# Altium PCB PCB_New.PcbDoc (part 1 of 2)
Units mil, origin at the board's own origin, x right, y up, seen from the top; angles counter-clockwise.
Board outline 6000 x 4000 mil, 2 copper layers (Top Layer, Bottom Layer); 464 components, 240 nets, 1316 pads, 0 vias.
Unrouted connection lines stored in the file: 1044.
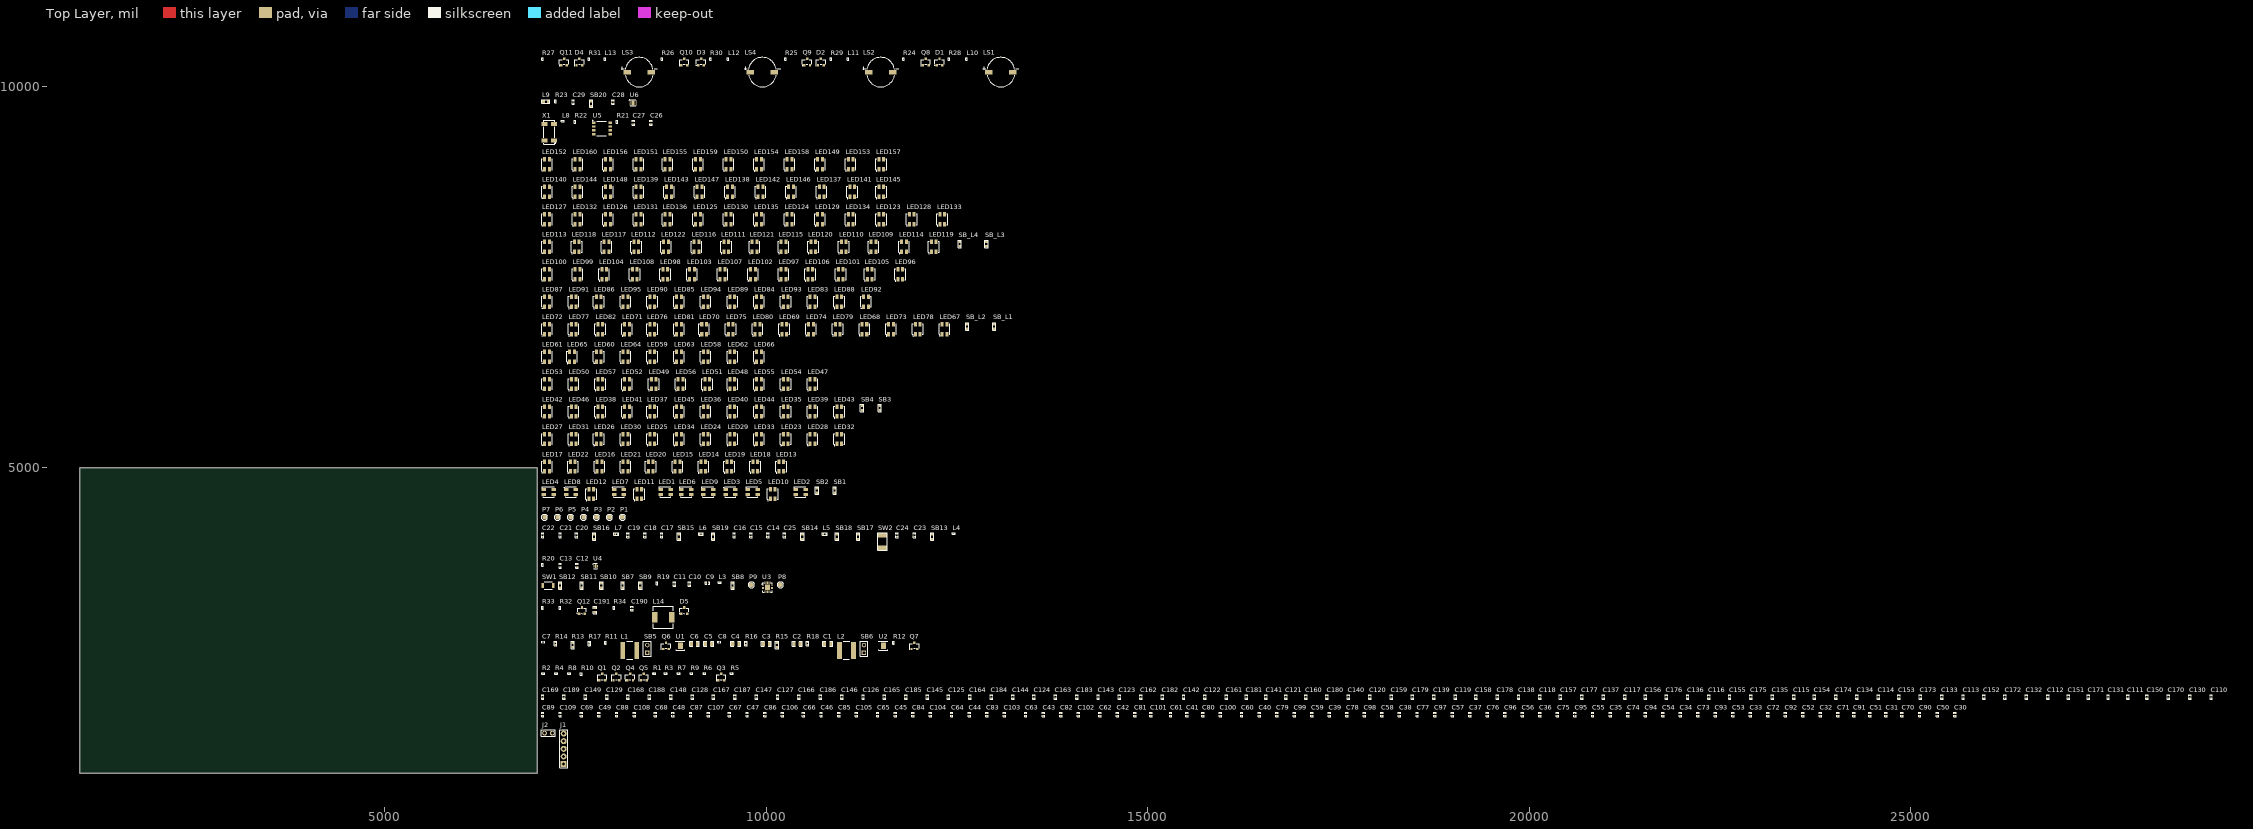
[diagram p0: Top Layer view]
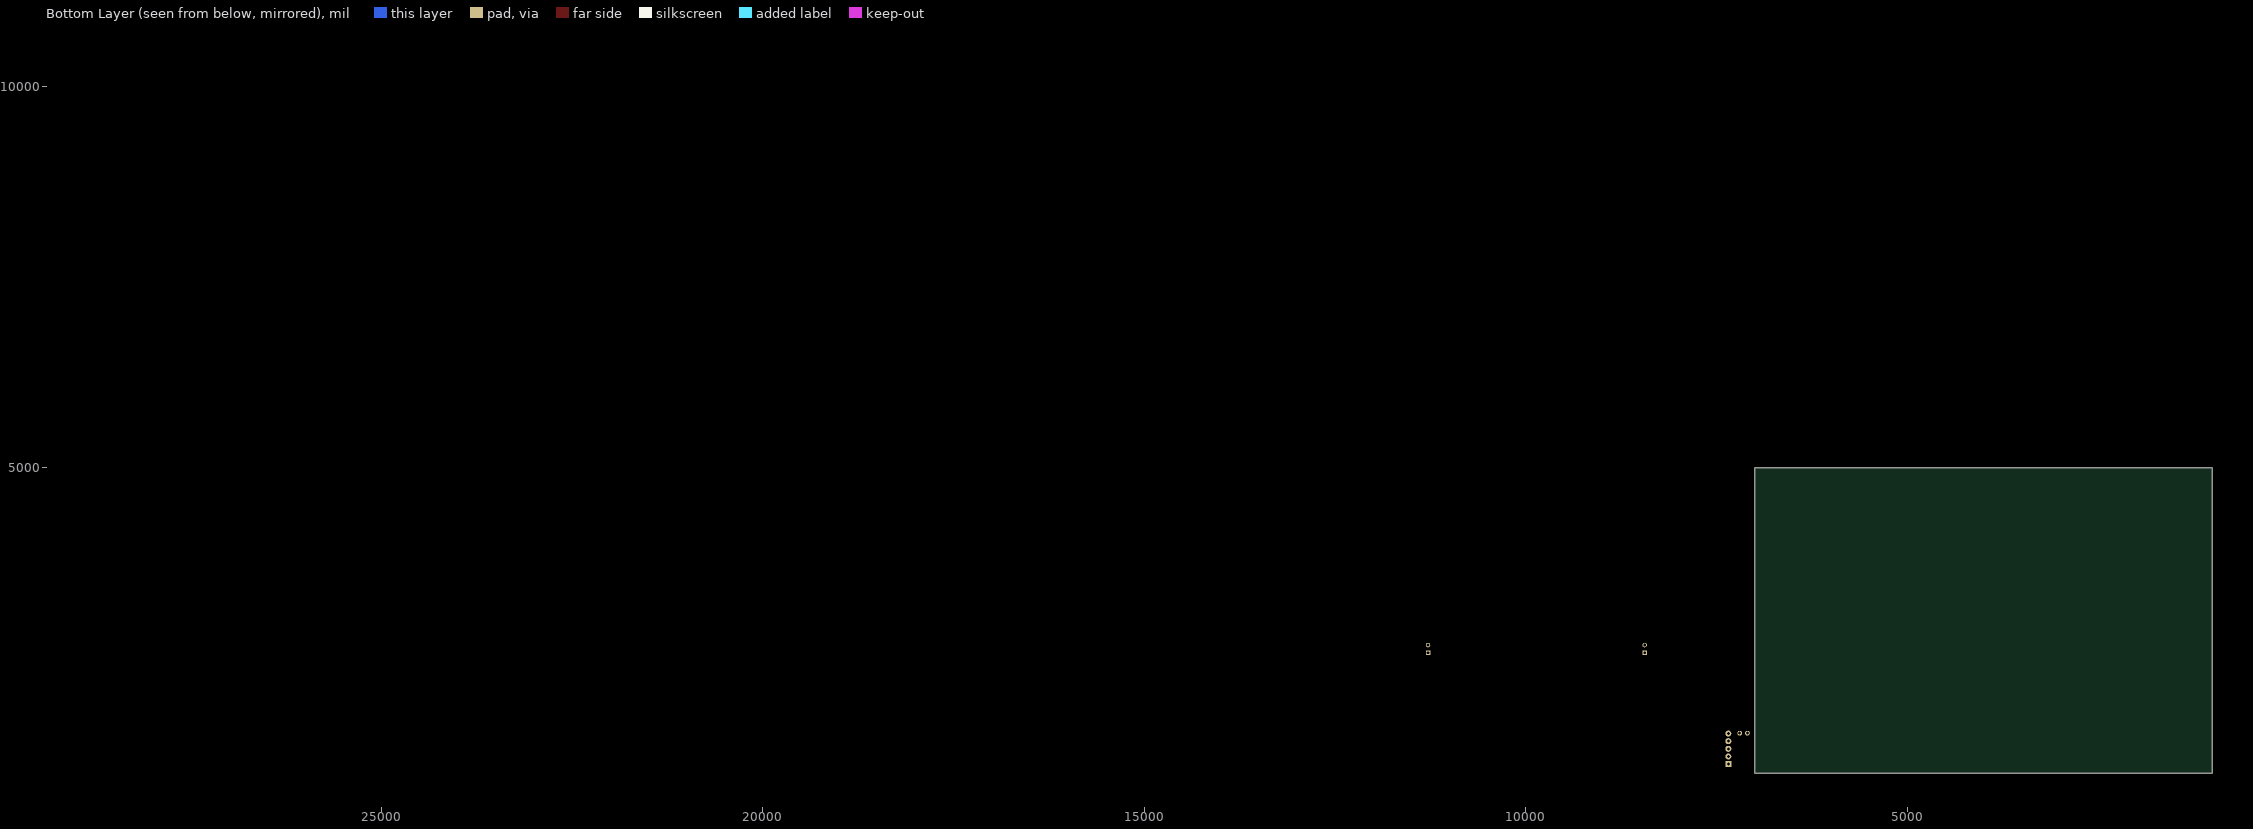
[diagram p1: Bottom Layer view, seen from below]

## Layer stack, top to bottom
Top Solder: solder mask 0.4, Solder Resist, Dk 3.5
Top Layer: signal copper 1.4
Dielectric 1: dielectric 12.6, FR-4, Dk 4.8
Bottom Layer: signal copper 1.4
Bottom Solder: solder mask 0.4, Solder Resist, Dk 3.5

## Board outline
1000,1000 7000,1000 7000,5000 1000,5000

## Design rules (kind name [scope] priority, off if disabled: settings)
Clearance [All] p1: gap=10 ignorepadtopadclearanceinfootprint=FALSE except(0: Arc-Hole Track-Hole SMDPad-Hole THPad-Hole Via-Hole Fill-Hole Poly-Hole Region-Hole Text-Hole)
PolygonConnect [All] p1: connectstyle=Relief reliefconductorwidth=10 reliefentries=4 polygonreliefangle="90 Angle" airgapwidth=10
RoomDefinition U_SOUND_SEC [InComponentClass('U_SOUND_SEC')] p1: confinementstyle=ConfineIn formatcopy=TRUE lockcomponents=FALSE outline 7045,9985 13320,9985 13320,10490 7045,10490
RoomDefinition U_SEC_POWER [InComponentClass('U_SEC_POWER')] p2: confinementstyle=ConfineIn formatcopy=TRUE lockcomponents=FALSE outline 7045,9715 8330,9715 8330,9935 7045,9935
RoomDefinition U_RTC_SEC [InComponentClass('U_RTC_SEC')] p3: confinementstyle=ConfineIn formatcopy=TRUE lockcomponents=FALSE outline 7045,9235 8660,9235 8660,9665 7045,9665
RoomDefinition "U_Ring 5_D" [InComponentClass('U_Ring 5_D')] p4: confinementstyle=ConfineIn formatcopy=TRUE lockcomponents=FALSE outline 7045,8875 11790,8875 11790,9185 7045,9185
RoomDefinition "U_Ring 5_C" [InComponentClass('U_Ring 5_C')] p5: confinementstyle=ConfineIn formatcopy=TRUE lockcomponents=FALSE outline 7045,8515 11790,8515 11790,8825 7045,8825
RoomDefinition "U_Ring 5_B" [InComponentClass('U_Ring 5_B')] p6: confinementstyle=ConfineIn formatcopy=TRUE lockcomponents=FALSE outline 7045,8155 12590,8155 12590,8465 7045,8465
RoomDefinition "U_Ring 5_A" [InComponentClass('U_Ring 5_A')] p7: confinementstyle=ConfineIn formatcopy=TRUE lockcomponents=FALSE outline 7045,7795 13170,7795 13170,8105 7045,8105
RoomDefinition "U_Ring 4_C" [InComponentClass('U_Ring 4_C')] p8: confinementstyle=ConfineIn formatcopy=TRUE lockcomponents=FALSE outline 7045,7435 11990,7435 11990,7745 7045,7745
RoomDefinition "U_Ring 4_B" [InComponentClass('U_Ring 4_B')] p9: confinementstyle=ConfineIn formatcopy=TRUE lockcomponents=FALSE outline 7045,7075 11540,7075 11540,7385 7045,7385
RoomDefinition "U_Ring 4_A" [InComponentClass('U_Ring 4_A')] p10: confinementstyle=ConfineIn formatcopy=TRUE lockcomponents=FALSE outline 7045,6715 13250,6715 13250,7025 7045,7025
RoomDefinition "U_Ring 3_C" [InComponentClass('U_Ring 3_C')] p11: confinementstyle=ConfineIn formatcopy=TRUE lockcomponents=FALSE outline 7045,6355 10140,6355 10140,6665 7045,6665
RoomDefinition "U_Ring 3_B" [InComponentClass('U_Ring 3_B')] p12: confinementstyle=ConfineIn formatcopy=TRUE lockcomponents=FALSE outline 7045,5995 10840,5995 10840,6305 7045,6305
RoomDefinition "U_Ring 3_A" [InComponentClass('U_Ring 3_A')] p13: confinementstyle=ConfineIn formatcopy=TRUE lockcomponents=FALSE outline 7045,5635 11650,5635 11650,5945 7045,5945
RoomDefinition "U_Ring 2_B" [InComponentClass('U_Ring 2_B')] p14: confinementstyle=ConfineIn formatcopy=TRUE lockcomponents=FALSE outline 7045,5275 11190,5275 11190,5585 7045,5585
RoomDefinition "U_Ring 2_A" [InComponentClass('U_Ring 2_A')] p15: confinementstyle=ConfineIn formatcopy=TRUE lockcomponents=FALSE outline 7045,4915 10420,4915 10420,5225 7045,5225
RoomDefinition "U_Ring 1" [InComponentClass('U_Ring 1')] p16: confinementstyle=ConfineIn formatcopy=TRUE lockcomponents=FALSE outline 7045,4555 11040,4555 11040,4865 7045,4865
RoomDefinition "U_Power Section" [InComponentClass('U_Power Section')] p17: confinementstyle=ConfineIn formatcopy=TRUE lockcomponents=FALSE outline 7045,4305 8180,4305 8180,4505 7045,4505
RoomDefinition U_POWER_SWITCH [InComponentClass('U_POWER_SWITCH')] p18: confinementstyle=ConfineIn formatcopy=TRUE lockcomponents=FALSE outline 7045,3910 12560,3910 12560,4260 7045,4260
RoomDefinition U_MCU_POWER [InComponentClass('U_MCU_POWER')] p19: confinementstyle=ConfineIn formatcopy=TRUE lockcomponents=FALSE outline 7045,3670 7850,3670 7850,3860 7045,3860
RoomDefinition U_MAIN_CONN [InComponentClass('U_MAIN_CONN')] p20: confinementstyle=ConfineIn formatcopy=TRUE lockcomponents=FALSE outline 7045,3350 10270,3350 10270,3620 7045,3620
RoomDefinition U_LED_POWER [InComponentClass('U_LED_POWER')] p21: confinementstyle=ConfineIn formatcopy=TRUE lockcomponents=FALSE outline 7045,2480 12010,2480 12010,2840 7045,2840
RoomDefinition "U_LED_POWER 2" [InComponentClass('U_LED_POWER 2')] p22: confinementstyle=ConfineIn formatcopy=TRUE lockcomponents=FALSE outline 7045,2890 8995,2890 8995,3300 7045,3300
RoomDefinition U_LED_CONV_SIG [InComponentClass('U_LED_CONV_SIG')] p23: confinementstyle=ConfineIn formatcopy=TRUE lockcomponents=FALSE outline 7045,2190 9650,2190 9650,2430 7045,2430
RoomDefinition "U_Decoup_Cap 2" [InComponentClass('U_Decoup_Cap 2')] p24: confinementstyle=ConfineIn formatcopy=TRUE lockcomponents=FALSE outline 7045,1960 29145,1960 29145,2140 7045,2140
RoomDefinition "U_Decoup_Cap 1" [InComponentClass('U_Decoup_Cap 1')] p25: confinementstyle=ConfineIn formatcopy=TRUE lockcomponents=FALSE outline 7045,1730 25745,1730 25745,1910 7045,1910
RoomDefinition "U_Connector Section" [InComponentClass('U_Connector Section')] p26: confinementstyle=ConfineIn formatcopy=TRUE lockcomponents=FALSE outline 7045,1060 7405,1060 7405,1680 7045,1680
RoutingVias [All] p1: holewidth=28 width=50 viastyle="Through Hole" minholewidth=28 minwidth=50 maxholewidth=28 maxwidth=50
SolderMaskExpansion [All] p1: expansion=4 istentingtop=FALSE
Width [All] p1: maxlimit=10 minlimit=10 preferedwidth=10
30 further rules are at their usual default settings.

## Classes and differential pairs
component class U_SOUND_SEC: D1 D2 D3 D4 L10 L11 L12 L13 LS1 LS2 LS3 LS4 Q8 Q9 Q10 Q11 R24 R25 R26 R27 R28 R29 R30 R31
component class U_SEC_POWER: C28 C29 L9 R23 SB20 U6
component class U_RTC_SEC: C26 C27 L8 R21 R22 U5 X1
component class "U_Ring 5_D": LED149 LED150 LED151 LED152 LED153 LED154 LED155 LED156 LED157 LED158 LED159 LED160
component class "U_Ring 5_C": LED137 LED138 LED139 LED140 LED141 LED142 LED143 LED144 LED145 LED146 LED147 LED148
component class "U_Ring 5_B": LED123 LED124 LED125 LED126 LED127 LED128 LED129 LED130 LED131 LED132 LED133 LED134 LED135 LED136
component class "U_Ring 5_A": LED109 LED110 LED111 LED112 LED113 LED114 LED115 LED116 LED117 LED118 LED119 LED120 LED121 LED122 SB_L3 SB_L4
component class "U_Ring 4_C": LED96 LED97 LED98 LED99 LED100 LED101 LED102 LED103 LED104 LED105 LED106 LED107 LED108
component class "U_Ring 4_B": LED83 LED84 LED85 LED86 LED87 LED88 LED89 LED90 LED91 LED92 LED93 LED94 LED95
component class "U_Ring 4_A": LED67 LED68 LED69 LED70 LED71 LED72 LED73 LED74 LED75 LED76 LED77 LED78 LED79 LED80 LED81 LED82 SB_L1 SB_L2
component class "U_Ring 3_C": LED58 LED59 LED60 LED61 LED62 LED63 LED64 LED65 LED66
component class "U_Ring 3_B": LED47 LED48 LED49 LED50 LED51 LED52 LED53 LED54 LED55 LED56 LED57
component class "U_Ring 3_A": LED35 LED36 LED37 LED38 LED39 LED40 LED41 LED42 LED43 LED44 LED45 LED46 SB3 SB4
component class "U_Ring 2_B": LED23 LED24 LED25 LED26 LED27 LED28 LED29 LED30 LED31 LED32 LED33 LED34
component class "U_Ring 2_A": LED13 LED14 LED15 LED16 LED17 LED18 LED19 LED20 LED21 LED22
component class "U_Ring 1": LED1 LED2 LED3 LED4 LED5 LED6 LED7 LED8 LED9 LED10 LED11 LED12 SB1 SB2
component class "U_Power Section": P1 P2 P3 P4 P5 P6 P7
component class U_POWER_SWITCH: C14 C15 C16 C17 C18 C19 C20 C21 C22 C23 C24 C25 L4 L5 L6 L7 SB13 SB14 SB15 SB16 SB17 SB18 SB19 SW2
component class U_MCU_POWER: C12 C13 R20 U4
component class U_MAIN_CONN: C9 C10 C11 L3 P8 P9 R19 SB7 SB8 SB9 SB10 SB11 SB12 SW1 U3
component class U_LED_POWER: C1 C2 C3 C4 C5 C6 C7 C8 L1 L2 Q6 Q7 R11 R12 R13 R14 R15 R16 R17 R18 SB5 SB6 U1 U2
component class "U_LED_POWER 2": C190 C191 D5 L14 Q12 R32 R33 R34
component class U_LED_CONV_SIG: Q1 Q2 Q3 Q4 Q5 R1 R2 R3 R4 R5 R6 R7 R8 R9 R10
component class "U_Decoup_Cap 2": C110 C111 C112 C113 C114 C115 C116 C117 C118 C119 C120 C121 C122 C123 C124 C125 C126 C127 C128 C129 C130 C131 C132 C133 C134 C135 C136 C137 C138 C139 C140 C141 C142 C143 C144 C145 C146 C147 C148 C149 C150 C151 C152 C153 C154 C155 C156 C157 C158 C159 C160 C161 C162 C163 C164 C165 C166 C167 C168 C169 C170 C171 C172 C173 C174 C175 C176 C177 C178 C179 C180 C181 C182 C183 C184 C185 C186 C187 C188 C189
component class "U_Decoup_Cap 1": C30 C31 C32 C33 C34 C35 C36 C37 C38 C39 C40 C41 C42 C43 C44 C45 C46 C47 C48 C49 C50 C51 C52 C53 C54 C55 C56 C57 C58 C59 C60 C61 C62 C63 C64 C65 C66 C67 C68 C69 C70 C71 C72 C73 C74 C75 C76 C77 C78 C79 C80 C81 C82 C83 C84 C85 C86 C87 C88 C89 C90 C91 C92 C93 C94 C95 C96 C97 C98 C99 C100 C101 C102 C103 C104 C105 C106 C107 C108 C109
component class "U_Connector Section": J1 J2

## Components (designator, comment, footprint, x,y, rotation, side; value= is the part's Value field where it differs from the comment)
C1 "22uF" Cap0805 10805,2695 r0 top
C2 "22uF" Cap0805 10405,2695 r0 top
C3 "22uF" Cap0805 10000,2695 r0 top
C4 "22uF" Cap0805 9600,2695 r0 top
C5 "22uF" Cap0805 9245,2695 r0 top
C6 "22uF" Cap0805 9060,2695 r0 top
C7 "10nF" "CAP 0201" 7075,2720 r0 top
C8 "10nF" "CAP 0201" 9385,2720 r0 top
C9 "100nF" Cap0402 9230,3495 r0 top
C10 "1µF" Cap0402 8995,3480 r90 top
C11 "100nF" Cap0402 8795,3480 r90 top
C12 "100nF" Cap0402 7520,3720 r90 top
C13 "1µF" Cap0402 7300,3720 r90 top
C14 "2.2uF" Cap0402 10020,4120 r90 top
C15 "100nF" Cap0402 9800,4120 r90 top
C16 "1µF" Cap0402 9580,4120 r90 top
C17 "2.2uF" Cap0402 8630,4120 r90 top
C18 "100nF" Cap0402 8410,4120 r90 top
C19 "1µF" Cap0402 8190,4120 r90 top
C20 "2.2uF" Cap0402 7510,4120 r90 top
C21 "100nF" Cap0402 7300,4120 r90 top
C22 "1µF" Cap0402 7070,4120 r90 top
C23 "100nF" Cap0402 11940,4120 r90 top
C24 "1µF" Cap0402 11710,4120 r90 top
C25 "1µF" Cap0402 10240,4120 r90 top
C26 "100nF" Cap0402 8490,9525 r90 top
C27 "1µF" Cap0402 8260,9525 r90 top
C28 "4.7uF" Cap0402 7990,9795 r90 top
C29 "1µF" Cap0402 7470,9795 r90 top
C30 "100nF" Cap0402 25575,1770 r90 top
C31 "100nF" Cap0402 24675,1770 r90 top
C32 "100nF" Cap0402 23815,1770 r90 top
C33 "100nF" Cap0402 22895,1770 r90 top
C34 "100nF" Cap0402 21980,1770 r90 top
C35 "100nF" Cap0402 21060,1770 r90 top
C36 "100nF" Cap0402 20140,1770 r90 top
C37 "100nF" Cap0402 19220,1770 r90 top
C38 "100nF" Cap0402 18300,1770 r90 top
C39 "100nF" Cap0402 17380,1770 r90 top
C40 "100nF" Cap0402 16460,1770 r90 top
C41 "100nF" Cap0402 15510,1770 r90 top
C42 "100nF" Cap0402 14600,1770 r90 top
C43 "100nF" Cap0402 13630,1770 r90 top
C44 "100nF" Cap0402 12660,1770 r90 top
C45 "100nF" Cap0402 11690,1770 r90 top
C46 "100nF" Cap0402 10720,1770 r90 top
C47 "100nF" Cap0402 9750,1770 r90 top
C48 "100nF" Cap0402 8780,1770 r90 top
C49 "100nF" Cap0402 7810,1770 r90 top
C50 "100nF" Cap0402 25345,1770 r90 top
C51 "100nF" Cap0402 24465,1770 r90 top
C52 "100nF" Cap0402 23585,1770 r90 top
C53 "100nF" Cap0402 22665,1770 r90 top
C54 "100nF" Cap0402 21750,1770 r90 top
C55 "100nF" Cap0402 20830,1770 r90 top
C56 "100nF" Cap0402 19910,1770 r90 top
C57 "100nF" Cap0402 18990,1770 r90 top
C58 "100nF" Cap0402 18070,1770 r90 top
C59 "100nF" Cap0402 17150,1770 r90 top
C60 "100nF" Cap0402 16230,1770 r90 top
C61 "100nF" Cap0402 15300,1770 r90 top
C62 "100nF" Cap0402 14370,1770 r90 top
C63 "100nF" Cap0402 13400,1770 r90 top
C64 "100nF" Cap0402 12430,1770 r90 top
C65 "100nF" Cap0402 11460,1770 r90 top
C66 "100nF" Cap0402 10490,1770 r90 top
C67 "100nF" Cap0402 9520,1770 r90 top
C68 "100nF" Cap0402 8550,1770 r90 top
C69 "100nF" Cap0402 7580,1770 r90 top
C70 "100nF" Cap0402 24885,1770 r90 top
C71 "100nF" Cap0402 24045,1770 r90 top
C72 "100nF" Cap0402 23125,1770 r90 top
C73 "100nF" Cap0402 22210,1770 r90 top
C74 "100nF" Cap0402 21290,1770 r90 top
C75 "100nF" Cap0402 20370,1770 r90 top
C76 "100nF" Cap0402 19450,1770 r90 top
C77 "100nF" Cap0402 18530,1770 r90 top
C78 "100nF" Cap0402 17610,1770 r90 top
C79 "100nF" Cap0402 16690,1770 r90 top
C80 "100nF" Cap0402 15720,1770 r90 top
C81 "100nF" Cap0402 14830,1770 r90 top
C82 "100nF" Cap0402 13860,1770 r90 top
C83 "100nF" Cap0402 12890,1770 r90 top
C84 "100nF" Cap0402 11920,1770 r90 top
C85 "100nF" Cap0402 10950,1770 r90 top
C86 "100nF" Cap0402 9980,1770 r90 top
C87 "100nF" Cap0402 9010,1770 r90 top
C88 "100nF" Cap0402 8040,1770 r90 top
C89 "100nF" Cap0402 7070,1770 r90 top
C90 "100nF" Cap0402 25115,1770 r90 top
C91 "100nF" Cap0402 24255,1770 r90 top
C92 "100nF" Cap0402 23355,1770 r90 top
C93 "100nF" Cap0402 22440,1770 r90 top
C94 "100nF" Cap0402 21520,1770 r90 top
C95 "100nF" Cap0402 20600,1770 r90 top
C96 "100nF" Cap0402 19680,1770 r90 top
C97 "100nF" Cap0402 18760,1770 r90 top
C98 "100nF" Cap0402 17840,1770 r90 top
C99 "100nF" Cap0402 16920,1770 r90 top
C100 "100nF" Cap0402 15950,1770 r90 top
C101 "100nF" Cap0402 15040,1770 r90 top
C102 "100nF" Cap0402 14090,1770 r90 top
C103 "100nF" Cap0402 13120,1770 r90 top
C104 "100nF" Cap0402 12150,1770 r90 top
C105 "100nF" Cap0402 11180,1770 r90 top
C106 "100nF" Cap0402 10210,1770 r90 top
C107 "100nF" Cap0402 9240,1770 r90 top
C108 "100nF" Cap0402 8270,1770 r90 top
C109 "100nF" Cap0402 7300,1770 r90 top
C110 "100nF" Cap0402 28935,2000 r90 top
C111 "100nF" Cap0402 27845,2000 r90 top
C112 "100nF" Cap0402 26795,2000 r90 top
C113 "100nF" Cap0402 25685,2000 r90 top
C114 "100nF" Cap0402 24575,2000 r90 top
C115 "100nF" Cap0402 23465,2000 r90 top
C116 "100nF" Cap0402 22355,2000 r90 top
C117 "100nF" Cap0402 21250,2000 r90 top
C118 "100nF" Cap0402 20140,2000 r90 top
C119 "100nF" Cap0402 19030,2000 r90 top
C120 "100nF" Cap0402 17910,2000 r90 top
C121 "100nF" Cap0402 16810,2000 r90 top
C122 "100nF" Cap0402 15750,2000 r90 top
C123 "100nF" Cap0402 14630,2000 r90 top
C124 "100nF" Cap0402 13510,2000 r90 top
C125 "100nF" Cap0402 12390,2000 r90 top
C126 "100nF" Cap0402 11270,2000 r90 top
C127 "100nF" Cap0402 10150,2000 r90 top
C128 "100nF" Cap0402 9030,2000 r90 top
C129 "100nF" Cap0402 7910,2000 r90 top
C130 "100nF" Cap0402 28655,2000 r90 top
C131 "100nF" Cap0402 27585,2000 r90 top
C132 "100nF" Cap0402 26515,2000 r90 top
C133 "100nF" Cap0402 25405,2000 r90 top
C134 "100nF" Cap0402 24295,2000 r90 top
C135 "100nF" Cap0402 23185,2000 r90 top
C136 "100nF" Cap0402 22075,2000 r90 top
C137 "100nF" Cap0402 20970,2000 r90 top
C138 "100nF" Cap0402 19860,2000 r90 top
C139 "100nF" Cap0402 18750,2000 r90 top
C140 "100nF" Cap0402 17630,2000 r90 top
C141 "100nF" Cap0402 16550,2000 r90 top
C142 "100nF" Cap0402 15470,2000 r90 top
C143 "100nF" Cap0402 14350,2000 r90 top
C144 "100nF" Cap0402 13230,2000 r90 top
C145 "100nF" Cap0402 12110,2000 r90 top
C146 "100nF" Cap0402 10990,2000 r90 top
C147 "100nF" Cap0402 9870,2000 r90 top
C148 "100nF" Cap0402 8750,2000 r90 top
C149 "100nF" Cap0402 7630,2000 r90 top
C150 "100nF" Cap0402 28095,2000 r90 top
C151 "100nF" Cap0402 27065,2000 r90 top
C152 "100nF" Cap0402 25955,2000 r90 top
C153 "100nF" Cap0402 24845,2000 r90 top
C154 "100nF" Cap0402 23735,2000 r90 top
C155 "100nF" Cap0402 22625,2000 r90 top
C156 "100nF" Cap0402 21520,2000 r90 top
C157 "100nF" Cap0402 20410,2000 r90 top
C158 "100nF" Cap0402 19300,2000 r90 top
C159 "100nF" Cap0402 18190,2000 r90 top
C160 "100nF" Cap0402 17070,2000 r90 top
C161 "100nF" Cap0402 16030,2000 r90 top
C162 "100nF" Cap0402 14910,2000 r90 top
C163 "100nF" Cap0402 13790,2000 r90 top
C164 "100nF" Cap0402 12670,2000 r90 top
C165 "100nF" Cap0402 11550,2000 r90 top
C166 "100nF" Cap0402 10430,2000 r90 top
C167 "100nF" Cap0402 9310,2000 r90 top
C168 "100nF" Cap0402 8190,2000 r90 top
C169 "100nF" Cap0402 7070,2000 r90 top
C170 "100nF" Cap0402 28375,2000 r90 top
C171 "100nF" Cap0402 27325,2000 r90 top
C172 "100nF" Cap0402 26235,2000 r90 top
C173 "100nF" Cap0402 25125,2000 r90 top
C174 "100nF" Cap0402 24015,2000 r90 top
C175 "100nF" Cap0402 22905,2000 r90 top
C176 "100nF" Cap0402 21795,2000 r90 top
C177 "100nF" Cap0402 20690,2000 r90 top
C178 "100nF" Cap0402 19580,2000 r90 top
C179 "100nF" Cap0402 18470,2000 r90 top
C180 "100nF" Cap0402 17350,2000 r90 top
C181 "100nF" Cap0402 16290,2000 r90 top
C182 "100nF" Cap0402 15190,2000 r90 top
C183 "100nF" Cap0402 14070,2000 r90 top
C184 "100nF" Cap0402 12950,2000 r90 top
C185 "100nF" Cap0402 11830,2000 r90 top
C186 "100nF" Cap0402 10710,2000 r90 top
C187 "100nF" Cap0402 9590,2000 r90 top
C188 "100nF" Cap0402 8470,2000 r90 top
C189 "100nF" Cap0402 7350,2000 r90 top
C190 "0.1uF" Cap0402 8240,3160 r90 top
C191 "10uF" Cap0603 7755,3140 r90 top
D1 "BAL74,215" SOT23-3 12270,10320 r0 top
D2 "BAL74,215" SOT23-3 10715,10320 r0 top
D3 "BAL74,215" SOT23-3 9145,10320 r0 top
D4 "BAL74,215" SOT23-3 7550,10320 r0 top
D5 "SSM3J334R,LF" SOT-23F 8925,3130 r0 top
J1 "PZ254V-11-05P" PZ254V-11-05P 7345,1320 r90 top
J2 "THT PADS" "THT PAD" 7095,1525 r0 top
L1 "1uH" 1255AY-1R0N=P3 8210,2610 r0 top
L2 "1uH" 1255AY-1R0N=P3 11050,2610 r0 top
L3 "MMZ0603S601CT000" "IND 0201" 9390,3500 r0 top
L4 "MMZ0603S601CT000" "IND 0201" 12455,4140 r0 top
L5 "GZ1005D100TF" "IND 0402 (1005 Metric)" 10765,4135 r0 top value=Custom
L6 "HCB1005MF-100T25" HCB1005MF-100T25 9145,4135 r0 top
L7 "HCB1005MF-100T25" HCB1005MF-100T25 8035,4135 r0 top
L8 "MMZ0603S601CT000" "IND 0201" 7335,9545 r0 top
L9 "1uH" "IND 0603" 7110,9800 r0 top
L10 "MMZ0603S601CT000" "IND 0201" 12625,10360 r90 top
L11 "MMZ0603S601CT000" "IND 0201" 11070,10360 r90 top
L12 "MMZ0603S601CT000" "IND 0201" 9500,10360 r90 top
L13 "MMZ0603S601CT000" "IND 0201" 7885,10360 r90 top
L14 "MCS0630-100MN1" MCS0630-100MN1 8650,3045 r0 top value=10uH
LED1 "WS2812B-Mini" WS2812B-Mini 8680,4685 r0 top
LED2 "WS2812B-Mini" WS2812B-Mini 10450,4685 r0 top
LED3 "WS2812B-Mini" WS2812B-Mini 9530,4685 r0 top
LED4 "WS2812B-Mini" WS2812B-Mini 7150,4685 r0 top
LED5 "WS2812B-Mini" WS2812B-Mini 9820,4685 r0 top
LED6 "WS2812B-Mini" WS2812B-Mini 8950,4685 r0 top
LED7 "WS2812B-Mini" WS2812B-Mini 8070,4685 r0 top
LED8 "WS2812B-Mini" WS2812B-Mini 7440,4685 r0 top
LED9 "WS2812B-Mini" WS2812B-Mini 9240,4685 r0 top
LED10 "WS2812B-Mini" WS2812B-Mini 10085,4660 r90 top
LED11 "WS2812B-Mini" WS2812B-Mini 8335,4660 r90 top
LED12 "WS2812B-Mini" WS2812B-Mini 7705,4660 r90 top
LED13 "WS2812B-Mini" WS2812B-Mini 10195,5020 r90 top
LED14 "WS2812B-Mini" WS2812B-Mini 9175,5020 r90 top
LED15 "WS2812B-Mini" WS2812B-Mini 8835,5020 r90 top
LED16 "WS2812B-Mini" WS2812B-Mini 7815,5020 r90 top
LED17 "WS2812B-Mini" WS2812B-Mini 7125,5020 r90 top
LED18 "WS2812B-Mini" WS2812B-Mini 9855,5020 r90 top
LED19 "WS2812B-Mini" WS2812B-Mini 9515,5020 r90 top
LED20 "WS2812B-Mini" WS2812B-Mini 8485,5020 r90 top
LED21 "WS2812B-Mini" WS2812B-Mini 8155,5020 r90 top
LED22 "WS2812B-Mini" WS2812B-Mini 7465,5020 r90 top
LED23 "WS2812B-Mini" WS2812B-Mini 10255,5380 r90 top
LED24 "WS2812B-Mini" WS2812B-Mini 9205,5380 r90 top
LED25 "WS2812B-Mini" WS2812B-Mini 8505,5380 r90 top
LED26 "WS2812B-Mini" WS2812B-Mini 7805,5380 r90 top
LED27 "WS2812B-Mini" WS2812B-Mini 7125,5380 r90 top
LED28 "WS2812B-Mini" WS2812B-Mini 10605,5380 r90 top
LED29 "WS2812B-Mini" WS2812B-Mini 9555,5380 r90 top
LED30 "WS2812B-Mini" WS2812B-Mini 8155,5380 r90 top
LED31 "WS2812B-Mini" WS2812B-Mini 7475,5380 r90 top
LED32 "WS2812B-Mini" WS2812B-Mini 10955,5380 r90 top
LED33 "WS2812B-Mini" WS2812B-Mini 9905,5380 r90 top
LED34 "WS2812B-Mini" WS2812B-Mini 8855,5380 r90 top
LED35 "WS2812B-Mini" WS2812B-Mini 10255,5740 r90 top
LED36 "WS2812B-Mini" WS2812B-Mini 9205,5740 r90 top
LED37 "WS2812B-Mini" WS2812B-Mini 8505,5740 r90 top
LED38 "WS2812B-Mini" WS2812B-Mini 7825,5740 r90 top
LED39 "WS2812B-Mini" WS2812B-Mini 10605,5740 r90 top
LED40 "WS2812B-Mini" WS2812B-Mini 9555,5740 r90 top
LED41 "WS2812B-Mini" WS2812B-Mini 8175,5740 r90 top
LED42 "WS2812B-Mini" WS2812B-Mini 7125,5740 r90 top
LED43 "WS2812B-Mini" WS2812B-Mini 10955,5740 r90 top
LED44 "WS2812B-Mini" WS2812B-Mini 9905,5740 r90 top
LED45 "WS2812B-Mini" WS2812B-Mini 8855,5740 r90 top
LED46 "WS2812B-Mini" WS2812B-Mini 7475,5740 r90 top
LED47 "WS2812B-Mini" WS2812B-Mini 10605,6100 r90 top
LED48 "WS2812B-Mini" WS2812B-Mini 9555,6100 r90 top
LED49 "WS2812B-Mini" WS2812B-Mini 8525,6100 r90 top
LED50 "WS2812B-Mini" WS2812B-Mini 7475,6100 r90 top
LED51 "WS2812B-Mini" WS2812B-Mini 9225,6100 r90 top
LED52 "WS2812B-Mini" WS2812B-Mini 8175,6100 r90 top
LED53 "WS2812B-Mini" WS2812B-Mini 7125,6100 r90 top
LED54 "WS2812B-Mini" WS2812B-Mini 10255,6100 r90 top
LED55 "WS2812B-Mini" WS2812B-Mini 9905,6100 r90 top
LED56 "WS2812B-Mini" WS2812B-Mini 8875,6100 r90 top
LED57 "WS2812B-Mini" WS2812B-Mini 7825,6100 r90 top
LED58 "WS2812B-Mini" WS2812B-Mini 9205,6460 r90 top
LED59 "WS2812B-Mini" WS2812B-Mini 8505,6460 r90 top
LED60 "WS2812B-Mini" WS2812B-Mini 7805,6460 r90 top
LED61 "WS2812B-Mini" WS2812B-Mini 7125,6460 r90 top
LED62 "WS2812B-Mini" WS2812B-Mini 9555,6460 r90 top
LED63 "WS2812B-Mini" WS2812B-Mini 8855,6460 r90 top
LED64 "WS2812B-Mini" WS2812B-Mini 8155,6460 r90 top
LED65 "WS2812B-Mini" WS2812B-Mini 7455,6460 r90 top
LED66 "WS2812B-Mini" WS2812B-Mini 9905,6460 r90 top
LED67 "WS2812B-Mini" WS2812B-Mini 12335,6820 r90 top
LED68 "WS2812B-Mini" WS2812B-Mini 11285,6820 r90 top
LED69 "WS2812B-Mini" WS2812B-Mini 10235,6820 r90 top
LED70 "WS2812B-Mini" WS2812B-Mini 9185,6820 r90 top
LED71 "WS2812B-Mini" WS2812B-Mini 8175,6820 r90 top
LED72 "WS2812B-Mini" WS2812B-Mini 7125,6820 r90 top
LED73 "WS2812B-Mini" WS2812B-Mini 11635,6820 r90 top
LED74 "WS2812B-Mini" WS2812B-Mini 10585,6820 r90 top
LED75 "WS2812B-Mini" WS2812B-Mini 9535,6820 r90 top
LED76 "WS2812B-Mini" WS2812B-Mini 8505,6820 r90 top
LED77 "WS2812B-Mini" WS2812B-Mini 7475,6820 r90 top
LED78 "WS2812B-Mini" WS2812B-Mini 11985,6820 r90 top
LED79 "WS2812B-Mini" WS2812B-Mini 10935,6820 r90 top
LED80 "WS2812B-Mini" WS2812B-Mini 9885,6820 r90 top
LED81 "WS2812B-Mini" WS2812B-Mini 8855,6820 r90 top
LED82 "WS2812B-Mini" WS2812B-Mini 7825,6820 r90 top
LED83 "WS2812B-Mini" WS2812B-Mini 10605,7180 r90 top
LED84 "WS2812B-Mini" WS2812B-Mini 9905,7180 r90 top
LED85 "WS2812B-Mini" WS2812B-Mini 8855,7180 r90 top
LED86 "WS2812B-Mini" WS2812B-Mini 7805,7180 r90 top
LED87 "WS2812B-Mini" WS2812B-Mini 7125,7180 r90 top
LED88 "WS2812B-Mini" WS2812B-Mini 10955,7180 r90 top
LED89 "WS2812B-Mini" WS2812B-Mini 9555,7180 r90 top
LED90 "WS2812B-Mini" WS2812B-Mini 8505,7180 r90 top
LED91 "WS2812B-Mini" WS2812B-Mini 7475,7180 r90 top
LED92 "WS2812B-Mini" WS2812B-Mini 11305,7180 r90 top
LED93 "WS2812B-Mini" WS2812B-Mini 10255,7180 r90 top
LED94 "WS2812B-Mini" WS2812B-Mini 9205,7180 r90 top
LED95 "WS2812B-Mini" WS2812B-Mini 8155,7180 r90 top
LED96 "WS2812B-Mini" WS2812B-Mini 11755,7540 r90 top
LED97 "WS2812B-Mini" WS2812B-Mini 10225,7540 r90 top
LED98 "WS2812B-Mini" WS2812B-Mini 8675,7540 r90 top
LED99 "WS2812B-Mini" WS2812B-Mini 7525,7540 r90 top
LED100 "WS2812B-Mini" WS2812B-Mini 7125,7540 r90 top
LED101 "WS2812B-Mini" WS2812B-Mini 10975,7540 r90 top
LED102 "WS2812B-Mini" WS2812B-Mini 9825,7540 r90 top
LED103 "WS2812B-Mini" WS2812B-Mini 9025,7540 r90 top
LED104 "WS2812B-Mini" WS2812B-Mini 7875,7540 r90 top
LED105 "WS2812B-Mini" WS2812B-Mini 11355,7540 r90 top
LED106 "WS2812B-Mini" WS2812B-Mini 10575,7540 r90 top
LED107 "WS2812B-Mini" WS2812B-Mini 9425,7540 r90 top
LED108 "WS2812B-Mini" WS2812B-Mini 8275,7540 r90 top
LED109 "WS2812B-Mini" WS2812B-Mini 11405,7900 r90 top
LED110 "WS2812B-Mini" WS2812B-Mini 11015,7900 r90 top
LED111 "WS2812B-Mini" WS2812B-Mini 9475,7900 r90 top
LED112 "WS2812B-Mini" WS2812B-Mini 8295,7900 r90 top
LED113 "WS2812B-Mini" WS2812B-Mini 7125,7900 r90 top
LED114 "WS2812B-Mini" WS2812B-Mini 11805,7900 r90 top
LED115 "WS2812B-Mini" WS2812B-Mini 10225,7900 r90 top
LED116 "WS2812B-Mini" WS2812B-Mini 9085,7900 r90 top
LED117 "WS2812B-Mini" WS2812B-Mini 7905,7900 r90 top
LED118 "WS2812B-Mini" WS2812B-Mini 7515,7900 r90 top
LED119 "WS2812B-Mini" WS2812B-Mini 12195,7900 r90 top
LED120 "WS2812B-Mini" WS2812B-Mini 10615,7900 r90 top
LED121 "WS2812B-Mini" WS2812B-Mini 9845,7900 r90 top
LED122 "WS2812B-Mini" WS2812B-Mini 8685,7900 r90 top
LED123 "WS2812B-Mini" WS2812B-Mini 11505,8260 r90 top
LED124 "WS2812B-Mini" WS2812B-Mini 10305,8260 r90 top
LED125 "WS2812B-Mini" WS2812B-Mini 9105,8260 r90 top
LED126 "WS2812B-Mini" WS2812B-Mini 7925,8260 r90 top
LED127 "WS2812B-Mini" WS2812B-Mini 7125,8260 r90 top
LED128 "WS2812B-Mini" WS2812B-Mini 11905,8260 r90 top
LED129 "WS2812B-Mini" WS2812B-Mini 10705,8260 r90 top
LED130 "WS2812B-Mini" WS2812B-Mini 9505,8260 r90 top
LED131 "WS2812B-Mini" WS2812B-Mini 8325,8260 r90 top
LED132 "WS2812B-Mini" WS2812B-Mini 7525,8260 r90 top
LED133 "WS2812B-Mini" WS2812B-Mini 12305,8260 r90 top
LED134 "WS2812B-Mini" WS2812B-Mini 11105,8260 r90 top
LED135 "WS2812B-Mini" WS2812B-Mini 9905,8260 r90 top
LED136 "WS2812B-Mini" WS2812B-Mini 8705,8260 r90 top
LED137 "WS2812B-Mini" WS2812B-Mini 10725,8620 r90 top
LED138 "WS2812B-Mini" WS2812B-Mini 9525,8620 r90 top
LED139 "WS2812B-Mini" WS2812B-Mini 8325,8620 r90 top
LED140 "WS2812B-Mini" WS2812B-Mini 7125,8620 r90 top
LED141 "WS2812B-Mini" WS2812B-Mini 11125,8620 r90 top
LED142 "WS2812B-Mini" WS2812B-Mini 9925,8620 r90 top
LED143 "WS2812B-Mini" WS2812B-Mini 8725,8620 r90 top
LED144 "WS2812B-Mini" WS2812B-Mini 7525,8620 r90 top
LED145 "WS2812B-Mini" WS2812B-Mini 11505,8620 r90 top
LED146 "WS2812B-Mini" WS2812B-Mini 10325,8620 r90 top
LED147 "WS2812B-Mini" WS2812B-Mini 9125,8620 r90 top
LED148 "WS2812B-Mini" WS2812B-Mini 7925,8620 r90 top
LED149 "WS2812B-Mini" WS2812B-Mini 10705,8980 r90 top
LED150 "WS2812B-Mini" WS2812B-Mini 9505,8980 r90 top
LED151 "WS2812B-Mini" WS2812B-Mini 8325,8980 r90 top
LED152 "WS2812B-Mini" WS2812B-Mini 7125,8980 r90 top
LED153 "WS2812B-Mini" WS2812B-Mini 11105,8980 r90 top
LED154 "WS2812B-Mini" WS2812B-Mini 9905,8980 r90 top
LED155 "WS2812B-Mini" WS2812B-Mini 8705,8980 r90 top
LED156 "WS2812B-Mini" WS2812B-Mini 7925,8980 r90 top
LED157 "WS2812B-Mini" WS2812B-Mini 11505,8980 r90 top
LED158 "WS2812B-Mini" WS2812B-Mini 10305,8980 r90 top
LED159 "WS2812B-Mini" WS2812B-Mini 9105,8980 r90 top
LED160 "WS2812B-Mini" WS2812B-Mini 7525,8980 r90 top
LS1 "YS-SBZ9032C03R16" YS-SBZ9032C03R16 12915,10185 r0 top
LS2 "YS-SBZ9032C03R16" YS-SBZ9032C03R16 11340,10185 r0 top
LS3 "YS-SBZ9032C03R16" YS-SBZ9032C03R16 8175,10185 r0 top
LS4 "YS-SBZ9032C03R16" YS-SBZ9032C03R16 9790,10185 r0 top
P1 "Test Point" "TEST POINT" 8115,4355 r0 top
P2 "Test Point" "TEST POINT" 7945,4355 r0 top
P3 "Test Point" "TEST POINT" 7775,4355 r0 top
P4 "Test Point" "TEST POINT" 7605,4355 r0 top
P5 "Test Point" "TEST POINT" 7435,4355 r0 top
P6 "Test Point" "TEST POINT" 7265,4355 r0 top
P7 "Test Point" "TEST POINT" 7095,4355 r0 top
P8 "Test Point" "TEST POINT" 10185,3470 r0 top
P9 "Test Point" "TEST POINT" 9805,3470 r0 top
Q1 "BSS138LT1G" SOT23-3 7850,2260 r0 top
Q2 "BSS138LT1G" SOT23-3 8035,2260 r0 top
Q3 "BSS138LT1G" SOT23-3 9410,2260 r0 top
Q4 "BSS138LT1G" SOT23-3 8215,2260 r0 top
Q5 "BSS138LT1G" SOT23-3 8395,2260 r0 top
Q6 "BSS138LT1G" SOT23-3 8685,2670 r0 top
Q7 "BSS138LT1G" SOT23-3 11940,2670 r0 top
Q8 "BSS138LT1G" SOT23-3 12090,10320 r0 top
Q9 "BSS138LT1G" SOT23-3 10535,10320 r0 top
Q10 "BSS138LT1G" SOT23-3 8925,10320 r0 top
Q11 "BSS138LT1G" SOT23-3 7350,10320 r0 top
Q12 "MMBT3904-TP" SOT-23F 7585,3130 r0 top
R1 "10K" Res-0201 8530,2310 r0 top
R2 "10K" Res-0201 7075,2310 r0 top
R3 "10K" Res-0201 8680,2310 r0 top
R4 "10K" Res-0201 7245,2310 r0 top
R5 "10K" Res-0201 9545,2310 r0 top
R6 "10K" Res-0201 9190,2310 r0 top
R7 "10K" Res-0201 8850,2310 r0 top
R8 "10K" Res-0201 7415,2310 r0 top
R9 "10K" Res-0201 9020,2310 r0 top
R10 "10K" Res-0201 7575,2300 r90 top
R11 "1K" Res-0201 7895,2710 r90 top
R12 "1K" Res-0201 11665,2710 r90 top
R13 "402K" Res0603 7465,2680 r90 top
R14 "100K" Res0402 7240,2700 r90 top
R15 "402K" Res0603 10140,2680 r90 top
R16 "100K" Res0402 9735,2700 r90 top
R17 "1M" Res0402 7680,2700 r90 top
R18 "1M" Res0402 10540,2700 r90 top
R19 "4.7K" Res-0201 8570,3490 r90 top
R20 "10K" Res-0201 7065,3730 r90 top
R21 "10K" Res-0201 8045,9535 r90 top
R22 "10K" Res-0201 7495,9535 r90 top
R23 "10K" Res-0201 7235,9805 r90 top
R24 "10K" Res-0201 11800,10360 r90 top
R25 "10K" Res-0201 10250,10360 r90 top
R26 "10K" Res-0201 8635,10360 r90 top
R27 "10K" Res-0201 7065,10360 r90 top
R28 "47R" Res-0201 12395,10360 r90 top
R29 "47R" Res-0201 10845,10360 r90 top
R30 "47R" Res-0201 9270,10360 r90 top
R31 "47R" Res-0201 7675,10360 r90 top
R32 "10K" Res-0201 7295,3170 r90 top
R33 "10K" Res-0201 7065,3170 r90 top
R34 "10K" Res-0201 8005,3170 r90 top
SB1 "Solder Bridge" "Solder Bridge" 10895,4705 r90 top
SB2 "Solder Bridge" "Solder Bridge" 10665,4705 r90 top
SB3 "Solder Bridge" "Solder Bridge" 11485,5785 r90 top
SB4 "Solder Bridge" "Solder Bridge" 11255,5785 r90 top
SB5 "Solder Bridge_H" "Solder Bridge throgh hole" 8440,2680 r90 top
SB6 "Solder Bridge_H" "Solder Bridge throgh hole" 11280,2680 r90 top
SB7 "Solder Bridge" "Solder Bridge" 8120,3460 r90 top
SB8 "Solder Bridge" "Solder Bridge" 9560,3460 r90 top
SB9 "Solder Bridge" "Solder Bridge" 8350,3460 r90 top
SB10 "Solder Bridge" "Solder Bridge" 7840,3460 r90 top
SB11 "Solder Bridge" "Solder Bridge" 7580,3460 r90 top
SB12 "Solder Bridge" "Solder Bridge" 7300,3460 r90 top
SB13 "Solder Bridge" "Solder Bridge" 12175,4100 r90 top
SB14 "Solder Bridge" "Solder Bridge" 10475,4100 r90 top
SB15 "Solder Bridge" "Solder Bridge" 8855,4100 r90 top
SB16 "Solder Bridge" "Solder Bridge" 7745,4100 r90 top
SB17 "Solder Bridge" "Solder Bridge" 11205,4100 r90 top
SB18 "Solder Bridge" "Solder Bridge" 10925,4100 r90 top
SB19 "Solder Bridge" "Solder Bridge" 9305,4100 r90 top
SB20 "Solder Bridge" "Solder Bridge" 7705,9775 r90 top
SB_L1 "Solder Bridge" "Solder Bridge" 12985,6855 r90 top
SB_L2 "Solder Bridge" "Solder Bridge" 12635,6855 r90 top
SB_L3 "Solder Bridge" "Solder Bridge" 12885,7935 r90 top
SB_L4 "Solder Bridge" "Solder Bridge" 12535,7935 r90 top
SW1 "B3U-1000P" B3U-1000P 7140,3460 r0 top
SW2 "PBS-110" PBS-110 11525,4035 r90 top
U1 "TPS61230DRCR" "10-VSON (3x3)" 8875,2670 r0 top
U2 "TPS61230DRCR" "10-VSON (3x3)" 11535,2670 r0 top
U3 "ATTINY1616-MNR" 20-QFN 10015,3435 r0 top
U4 "NCP186AMX330TAG" NCP186AMX330TAG 7765,3715 r0 top
U5 "PCF8563T/5,518" 8-SO 7740,9525 r0 top
U6 "TPS61240DRVR" TPS61240DRVR 8255,9785 r0 top
X1 "32.7680KHZ" CM200C32768DZFT 7155,9400 r90 top

## Footprints (in the part's own frame and the unit in brackets; to place one, negate y for a bottom-side part, rotate by r counter-clockwise, add the part's x,y. Pads: shape width x height; smd on the part's side, far side on the other; paste and mask are expansions set on the pad)
8-SO [mm] "IC RTC CLK/CALENDAR I2C 8-SOIC"
  rect 1.2x0.8 smd: 1(0,0) 2(0,-1.27) 3(0,-2.54) 4(0,-3.81) 5(5.5,-3.81) 6(5.5,-2.54) 7(5.5,-1.27) 8(5.5,0)
  silkscreen extent -0.46,-4.39 4.19,0.76, body extent -0.32,-4.36 5.46,0.55, height 1.45
"10-VSON (3x3)" [mm] "IC REG BOOST ADJ 4A 10VSON"
  rect 0.6x0.24 smd: 1(-1.4,1) 2(-1.4,0.5) 3(-1.4,0) 4(-1.4,-0.5) 5(-1.4,-1) 6(1.4,-1) 7(1.4,-0.5) 8(1.4,0) 9(1.4,0.5) 10(1.4,1)
  rect 1.6x2.15 smd: 11(0,0)
  silkscreen extent -1.8,-1.5 1.49,1.52, body extent -1.5,-1.5 1.5,1.5, height 1
20-QFN [mm] "IC MCU 8BIT 16KB FLASH 20VQFN"
  rect 0.8x0.2 smd: 1(-1.5,0.8) 2(-1.5,0.4) 3(-1.5,0) 4(-1.5,-0.4) 5(-1.5,-0.8) 11(1.5,-0.8) 12(1.5,-0.4) 13(1.5,0) 14(1.5,0.4) 15(1.5,0.8)
  rect 0.2x0.8 smd: 6(-0.8,-1.5) 7(-0.4,-1.5) 8(0,-1.5) 9(0.4,-1.5) 10(0.8,-1.5) 16(0.8,1.5) 17(0.4,1.5) 18(0,1.5) 19(-0.4,1.5) 20(-0.8,1.5)
  rect 1.8x1.8 smd: 21(0,0)
  silkscreen extent -1.83,-1.52 1.52,1.52, body extent -1.5,-1.5 1.5,1.5, height 0.59
1255AY-1R0N=P3 [mm] "FIXED IND 1UH 6.5A 10 MOHM SMD"
  rect 1.6x5.7 smd: 1(-2.35,0) 2(2.35,0)
  silkscreen extent -1.04,-3.02 1.04,3.05, body extent -3,-3 3,3, height 4.5
B3U-1000P [mm] "SWITCH TACTILE SPST-NO 0.05A 12V"
  rect 0.82x1.72 smd: 1(-1.7,0) 2(1.7,0)
  silkscreen extent -1.35,-1.32 1.32,1.3, body extent -2,-1.26 2,1.24, height 1.6
Cap0402 [mil]
  rect 18x25 smd mask+2.36: 1(-18.5,0) 2(18.5,0)
  silkscreen extent -31,-16 31,16, body extent -20,-10 20,10, height 19
Cap0603 [mil]
  rect 30x35 smd mask+2.36: 1(-30,0) 2(30,0)
  silkscreen extent -49,-21 49,21, body extent -32,-16 31,16, height 34
Cap0805 [mil] "SMD 0805"
  rect 40x60 smd mask+2.76: 1(-40,0) 2(40,0)
  silkscreen extent -64,-34 64,34, body extent -39,-25 39,25, height 30
"CAP 0201" [mm]
  rect 0.3x0.3 smd mask+0.055: 1(-0.3,0) 2(0.3,0)
  silkscreen extent -0.53,-0.23 0.53,0.23, body extent -0.3,-0.15 0.3,0.15, height 0.28
CM200C32768DZFT [mm] "CRYSTAL 32.7680KHZ 12.5PF SMD"
  rect 1.3x1.9 smd: 1(-2.75,-1.6) 2(2.75,-1.6) 3(2.75,1.6) 4(-2.75,1.6)
  silkscreen extent -3.94,-2.2 3.95,1.82, body extent -4,-1.9 4,1.91, height 2.49
HCB1005MF-100T25 [mm] "10O @ 100MHz 2.5A 1 50mO 0402 Ferrite Beads RoHS"
  rect 0.5x0.6 smd: 1(-0.45,0) 2(0.45,0)
  silkscreen extent -0.79,-0.41 0.79,0.39, body extent -0.5,-0.25 0.5,0.25, height 0.48
"IND 0201" [mm]
  rect 0.25x0.3 smd mask+0.055: 1(-0.275,0) 2(0.275,0)
  silkscreen extent -0.48,-0.23 0.48,0.23, body extent -0.3,-0.15 0.3,0.15, height 0.15
"IND 0402 (1005 Metric)" [mm] "FIXED IND 20NH 350MA 600 MOHM"
  rect 0.41x0.66 smd: 1(-0.505,0) 2(0.505,0)
  silkscreen extent -0.81,-0.43 0.81,0.43, body extent -0.5,-0.3 0.5,0.3, height 0.6
"IND 0603" [mm]
  rect 0.9x0.97 smd: 1(-0.785,0) 2(0.785,0)
  silkscreen extent -1.35,-0.58 1.35,0.58, body extent -0.8,-0.4 0.8,0.4, height 0.76
MCS0630-100MN1 [mm]
  rect 1.85x3.5 smd: 1(-2.775,0) 2(2.775,0)
  silkscreen extent -3.33,-3.65 3.33,3.65
NCP186AMX330TAG [mm]
  rect 0.37x0.28 smd: 1(-0.525,0.6) 2(-0.525,0.2) 3(-0.525,-0.2) 4(-0.525,-0.6) 5(0.525,-0.6) 6(0.525,-0.2) 7(0.525,0.2) 8(0.525,0.6)
  rect 0.44x1.44 smd: 9(0,0)
  silkscreen extent -0.97,-0.86 0.56,0.86, body extent -0.6,-0.8 0.6,0.8, height 0.39
PBS-110 [mm]
  rect 1.5x3 smd: 1(-2.05,0) 2(2.05,0)
  silkscreen extent -2.9,-1.6 2.9,1.6
PZ254V-11-05P [mm] "Through Hole,P=2.54mm"
  rect 2x2 hole 1.02: 1(-5.08,0)
  round 2 hole 1.02: 2(-2.54,0) 3(0,0) 4(2.54,0) 5(5.08,0)
  silkscreen extent -6.35,-1.27 6.35,1.27, body extent -6.35,-1.27 6.35,1.27, height 8.64
Res0402 [mil]
  rect 18x25 smd mask+4: 1(-18.5,0) 2(18.5,0)
  silkscreen extent -32,-17 32,16, body extent -23,-11 23,11, height 16
Res0603 [mil]
  rect 30x35 smd: 1(-30,0) 2(30,0)
  silkscreen extent -49,-21 49,21, body extent -31,-17 31,17, height 18
Res-0201 [mm]
  rect 0.27x0.37 smd: 1(-0.275,0) 2(0.275,0)
  silkscreen extent -0.48,-0.25 0.48,0.25, body extent -0.3,-0.15 0.3,0.15, height 0.29
"Solder Bridge" [mil] "Solder Bridge ON"
  rect 30x35 smd: 1(-30,0) 2(30,0)
  silkscreen extent -49,-21 49,21
"Solder Bridge throgh hole" [mm]
  rect 1.5x1.5 hole 0.9: 1(-2.54,0)
  round 1.5 hole 0.9: 2(0,0)
  silkscreen extent -3.81,-1.27 1.27,1.27
SOT23-3 [mm] "SOT23, 3-Leads, Body 2.9x1.3mm, Pitch 0.95mm, Lead Span 2.3mm - Reverse Pinning, IPC High Density"
  rect 0.8x0.8 smd: 1(-0.95,-1.075) 2(0.95,-1.075) 3(0,1.075)
  silkscreen extent -1.68,-1.22 1.55,0.74, body extent -1.5,-1.25 1.5,1.25, height 1.05
SOT-23F [mm]
  rect 0.8x0.9 smd: 1(-0.95,-1.05) 2(0.95,-1.05) 3(0,1.05)
  silkscreen extent -1.68,-0.97 1.47,0.86, body extent -1.45,-1.2 1.45,1.2, height 0.89
"TEST POINT" [mil]
  oct 60x60 smd: 1(0,0)
  silkscreen extent -37,-37 37,37
"THT PAD" [mm]
  round 1.6 hole 1: 1(0,0) 2(2.54,0)
  silkscreen extent -1.07,-1.07 3.61,1.09
TPS61240DRVR [mm] "IC REG BOOST 5V 500MA 6SON"
  rect 0.45x0.3 smd: 1(-0.975,0.65) 2(-0.975,0) 3(-0.975,-0.65) 4(0.975,-0.65) 5(0.975,0) 6(0.975,0.65)
  rect 1x1.6 smd: 7(0,0)
  silkscreen extent -1.3,-1.02 0.89,1.04, body extent -1,-1 1,1, height 0.8
WS2812B-Mini [mm] "SMD,3.5x3.5mm Light Emitting Diodes (LED) RoHS"
  rect 1.5x1 smd: 1(-1.64,0.79) 2(-1.64,-0.79) 3(1.64,-0.79) 4(1.64,0.79)
  silkscreen extent -2.31,-1.78 1.78,1.78, body extent -1.84,-1.74 1.84,1.74, height 1.95
YS-SBZ9032C03R16 [mm] "NO 2700Hz 85dB @ 3V, 10cm 3V F9mm SMD,9x3.2mm Buzzers RoHS"
  rect 2.5x1.5 smd: 1(0,0) 2(8,0)
  silkscreen extent -2.01,-4.82 10.06,4.95